# Altium PCB 191015 PCB (REV0-1).PcbDoc (part 2 of 2) (continued)
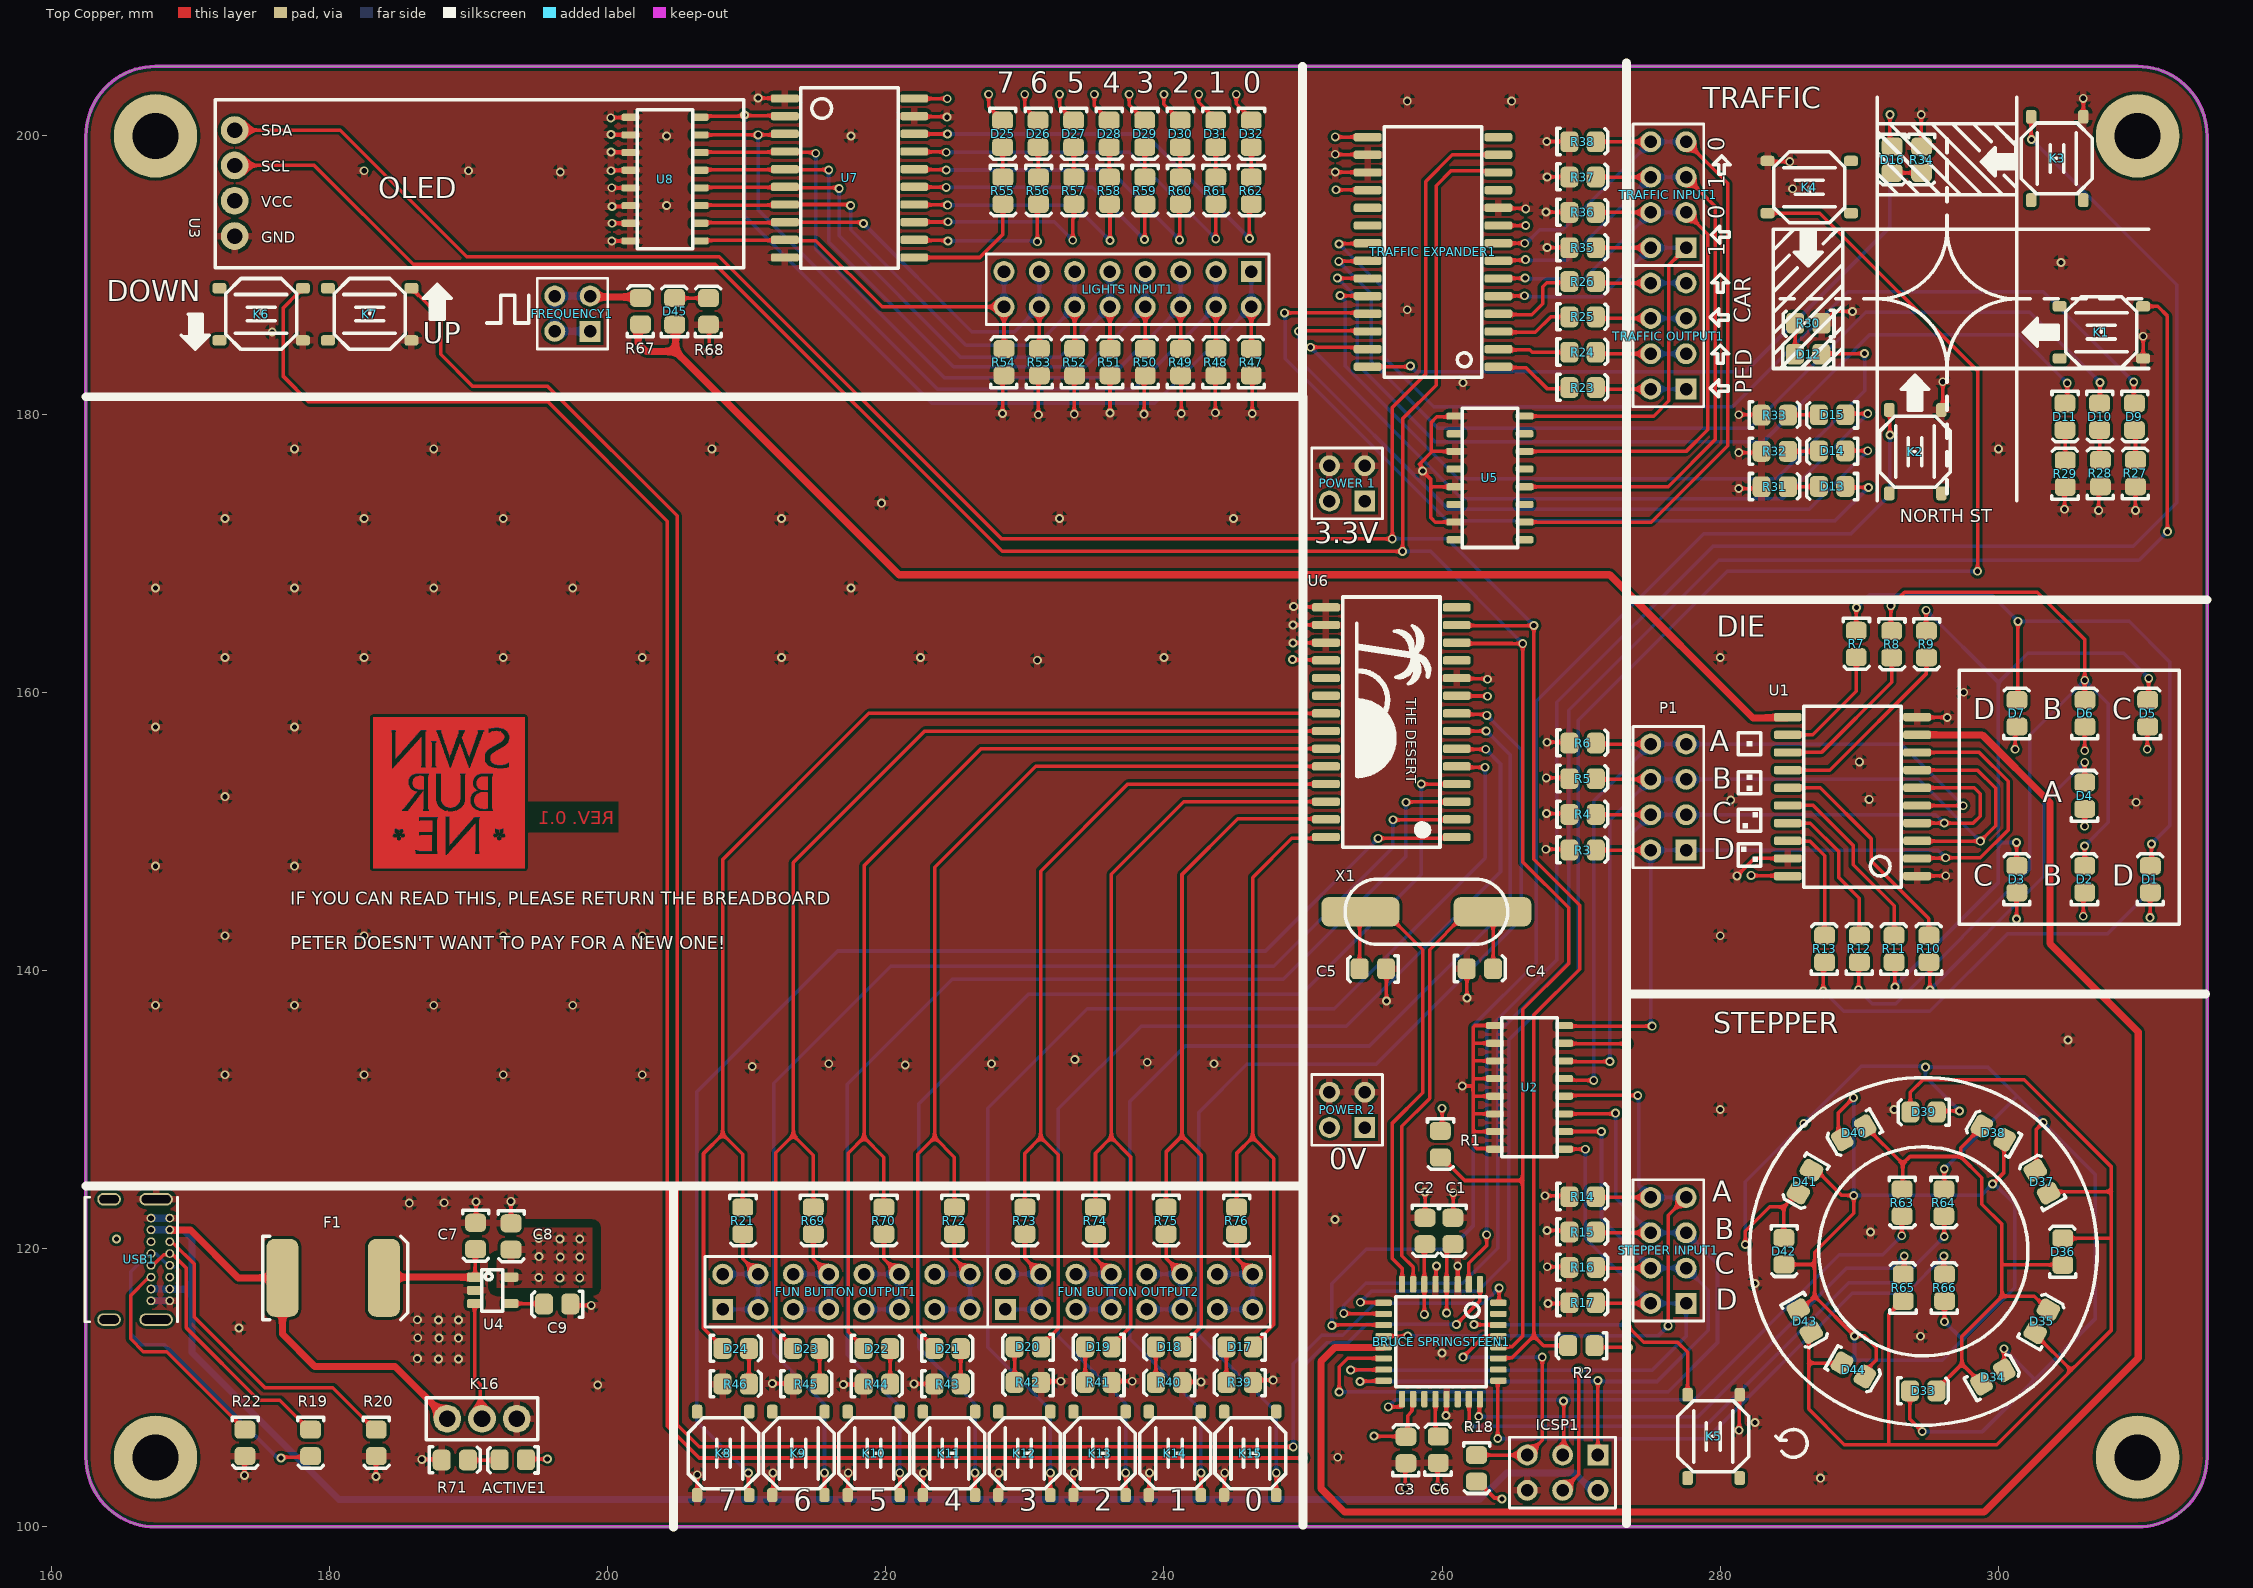
[diagram p0: Top Copper view]
## Nets (pads, with @x,y where several pads share a name; then routed paths per layer and width w, separated by ;. In a path a pad name is that pad's centre, name@x,y a point inside that pad or via, vN(x,y) a via of type N, cw(c..) or ccw(c..) an arc to the next point about the centre after c; other vN are vias at no path point) (continued)
  Bottom Copper w0.254: v1(210.125,103.875) 206.426,107.574 206.426,131.267 216.559,141.4 247.3,141.4 v1(255.4,149.5)
"Switch 2": K9.4 U6.2 | length 89.2
  Top Copper w0.254: K9.4@215.599,102.283 v1(215.599,103.883) ; v1(256.469,150.831) 261.016,150.831 U6.2@261.05,150.865
  Bottom Copper w0.254: v1(215.599,103.883) 215.599,108.826 211.951,112.474 211.951,131.89 220.37,140.31 247.91,140.31 256.469,148.869 v1(256.469,150.831)
"Switch 3": K10.4 U6.3 | length 85.6
  Top Copper w0.254: K10.4@221.012,102.283 v1(221.012,103.883) ; v1(257.4,152.1) 257.418,152.117 261.032,152.117 U6.3@261.05,152.135
  Bottom Copper w0.254: v1(221.012,103.883) 221.012,108.613 217.245,112.38 217.245,131.832 224.783,139.37 248.57,139.37 257.4,148.2 v1(257.4,152.1)
"Switch 4": K11.4 U6.4 | length 81.8
  Top Copper w0.254: K11.4@226.424,102.283 v1(226.424,103.883) ; v1(258.5,153.4) 258.502,153.402 261.047,153.402 U6.4@261.05,153.405
  Bottom Copper w0.254: v1(226.424,103.883) 226.424,108.826 222.389,112.861 222.389,130.416 230.251,138.278 249.878,138.278 258.5,146.9 v1(258.5,153.4)
"Switch 5": K12.4 U6.5 | length 81.5
  Top Copper w0.254: K12.4@231.836,102.283 v1(231.836,103.883) ; U6.5@261.05,154.675 261.118,154.607 v1(263.092,154.607)
  Bottom Copper w0.254: v1(231.836,103.883) 231.836,108.414 227.33,112.92 227.33,130.099 234.481,137.25 252.25,137.25 263.092,148.092 v1(263.092,154.607)
"Switch 6": K13.4 U6.6 | length 80
  Top Copper w0.254: K13.4@237.248,102.283 v1(237.248,103.883) ; U6.6@261.05,155.945 261.092,155.903 v1(263.142,155.903)
  Bottom Copper w0.254: v1(237.248,103.883) 237.248,108.854 232.41,113.693 232.41,130.048 238.362,136 253.1,136 264.2,147.1 264.2,154.845 v1(263.142,155.903)
"Switch 7": K14.4 U6.7 | length 79
  Top Copper w0.254: K14.4@242.661,102.283 v1(242.661,103.883) ; U6.7@261.05,157.215 263.159,157.215 v1(263.168,157.223)
  Bottom Copper w0.254: v1(242.661,103.883) 242.661,108.411 237.541,113.531 237.541,130.581 241.529,134.569 254.769,134.569 264.9,144.7 264.9,155.491 v1(263.168,157.223)
"Switch 8": K15.4 U6.8 | length 76.7
  Top Copper w0.254: K15.4@248.073,102.283 v1(248.073,103.883) ; U6.8@261.05,158.485 261.122,158.413 263.147,158.413 v1(263.219,158.341)
  Bottom Copper w0.254: v1(248.073,103.883) 248.073,108.227 242.519,113.781 242.519,129.819 245.95,133.25 255.25,133.25 265.7,143.7 265.7,155.86 v1(263.219,158.341)
XTAL1: "BRUCE SPRINGSTEEN1.7" C4.2 X1.2 | length 35
  Top Copper w0.254: 257.923,117.434 257.923,118.677 257.1,119.5 257.1,128.8 259.1,130.8 259.1,141.5 261.453,143.853 263.337,143.853 263.668,144.183 C4.2@263.668,140.12
XTAL2: "BRUCE SPRINGSTEEN1.8" C5.2 X1.1 | length 35
  Top Copper w0.254: C5.2@254.067,140.123 254.067,144.167 X1.1@254.125,144.225 255.875,144.225 258.6,141.5 258.6,131.2 256.4,129 256.4,119.3 257.123,118.577 257.123,117.434
pads on no net: "BRUCE SPRINGSTEEN1.19" "BRUCE SPRINGSTEEN1.22" "BRUCE SPRINGSTEEN1.26" "BRUCE SPRINGSTEEN1.31" "TRAFFIC EXPANDER1.11" "TRAFFIC EXPANDER1.14" "TRAFFIC EXPANDER1.19" "TRAFFIC EXPANDER1.20" K1.1 K1.3 K2.1 K2.3 K3.1 K3.3 K4.1 K4.3 K5.1 K5.3 K6.1 K6.3 K7.1 K7.3 K8.1 K8.3 K9.1 K9.3 K10.1 K10.3 K11.1 K11.3 K12.1 K12.3 K13.1 K13.3 K14.1 K14.3 K15.1 K15.3 U5.2 U5.4 U5.6 U5.8 U5.9 U5.11 U5.13 U5.15 U6.11 U6.14 U6.19 U6.20 USB1.A8 USB1.B8 USB1.P2 USB1.P3 USB1.P4
copper on no net:
  other v1: 164.7,120.7

## Polygon pours and split planes (outlines as drawn)
0V on Signal Layer 1 (GND) "Signal Layer 1 (GND)-0V" (solid, remove dead copper, pour order 10): 162.5,205 162.5,124.5 162.5,100 315,100 315,205
0V on Signal Layer 1 (GND) "Signal Layer 1 (GND)-0V 1" (solid, remove dead copper, pour order 8): 162.5,205
0V on Signal Layer 1 (GND) "Signal Layer 1 (GND)-0V 2" (solid, remove dead copper, pour order 6): 162.5,100
0V on Signal Layer 1 (GND) "Signal Layer 1 (GND)-0V 3" (solid, remove dead copper, pour order 4): 159.925,205
no net on Bottom Copper "Bottom Copper-GND" (solid, remove dead copper, pour order 22): 162.5,124.5 183.75,124.5 183.75,100.333 162.583,100.333 162.5,100.25
0V on Bottom Copper "Bottom Copper-0V" (solid, remove dead copper, pour order 14): 162.5,205 162.5,124.5 162.5,100 315,100 315,205.254
0V on Top Copper "Top Copper-0V" (solid, remove dead copper, pour order 24): 162.5,205 162.5,124.5 162.5,100 315,100 315,205.25
3.3V on Top Copper "Top Copper-3.3V" (solid, pour order 16): 192.05,121.5 198.9,121.5 198.9,117.2 192.05,117.2
3.3V on Signal Layer 2 (PWR) "Signal Layer 2 (PWR)-3.3V" (solid, remove dead copper, pour order 12): 162.5,205 162.5,124.5 162.5,100 315,100 315,205

## Keep-outs
Keep-Out Layer:
  the board outline again, w0.254

## Other copper
Top Copper:
  region: 857 vertices and 11 holes, not listed, extent 183.146,147.358 194.043,158.204
  region: 190.892,152.773 190.816,152.773 190.816,152.748 190.765,152.748 190.765,152.723 190.689,152.723 190.689,152.697 190.663,152.697 190.663,152.672 190.638,152.672 190.638,152.646 190.587,152.646 190.587,152.621 190.562,152.621 190.562,152.596 190.562,152.57 190.536,152.57 190.536,152.545 190.511,152.545 190.511,152.519 190.485,152.519 190.485,152.494 190.485,152.469 190.485,152.443 190.46,152.443 190.46,152.418 190.46,152.392 190.46,152.367 190.46,152.342 190.435,152.342 190.435,152.316 190.435,152.291 190.435,152.265 190.435,152.24 190.435,152.215 190.435,152.189 190.435,152.164 190.435,152.138 190.435,152.113 190.435,152.088 190.46,152.088 190.46,152.062 190.46,152.037 190.46,152.011 190.485,152.011 190.485,151.986 190.485,151.961 190.511,151.961 190.511,151.935 190.511,151.91 190.536,151.91 190.536,151.884 190.562,151.884 190.562,151.859 190.587,151.859 190.587,151.834 190.612,151.834 190.612,151.808 190.638,151.808 190.638,151.783 190.663,151.783 190.663,151.757 190.714,151.757 190.714,151.732 190.765,151.732 190.765,151.707 190.841,151.707 190.841,151.681 190.892,151.681 190.892,151.656 191.019,151.656 191.019,151.63 191.273,151.63 191.273,151.656 191.349,151.656 191.349,151.681 191.374,151.681 191.374,151.707 191.374,151.732 191.374,151.757 191.374,151.783 191.374,151.808 191.374,151.834 191.374,151.859 191.374,151.884 191.374,151.91 191.374,151.935 191.374,151.961 191.374,151.986 191.374,152.011 191.374,152.037 191.374,152.062 191.374,152.088 191.374,152.113 191.374,152.138 191.374,152.164 191.374,152.189 191.374,152.215 191.374,152.24 191.374,152.265 191.374,152.291 191.374,152.316 191.374,152.342 191.374,152.367 191.374,152.392 191.374,152.418 191.374,152.443 191.374,152.469 191.374,152.494 191.374,152.519 191.374,152.545 191.374,152.57 191.374,152.596 191.374,152.621 191.374,152.646 191.374,152.672 191.374,152.697 191.374,152.723 191.374,152.748 191.374,152.773 191.349,152.773 191.349,152.799 190.892,152.799
  region: 190.917,153.891 190.841,153.891 190.841,153.866 190.816,153.866 190.816,153.84 190.765,153.84 190.765,153.815 190.739,153.815 190.739,153.789 190.714,153.789 190.714,153.764 190.689,153.764 190.689,153.739 190.663,153.739 190.663,153.713 190.663,153.688 190.638,153.688 190.638,153.662 190.638,153.637 190.638,153.612 190.612,153.612 190.612,153.586 190.612,153.561 190.612,153.535 190.612,153.51 190.587,153.51 190.587,153.485 190.587,153.459 190.587,153.434 190.587,153.408 190.612,153.408 190.612,153.383 190.612,153.358 190.612,153.332 190.612,153.307 190.638,153.307 190.638,153.281 190.638,153.256 190.638,153.231 190.663,153.231 190.663,153.205 190.663,153.18 190.689,153.18 190.689,153.154 190.714,153.154 190.714,153.129 190.739,153.129 190.739,153.104 190.765,153.104 190.765,153.078 190.816,153.078 190.816,153.053 190.866,153.053 190.866,153.027 190.917,153.027 190.917,153.002 191.146,153.002 191.146,152.977 191.349,152.977 191.349,153.002 191.374,153.002 191.374,153.027 191.374,153.053 191.374,153.078 191.374,153.104 191.374,153.129 191.374,153.154 191.374,153.18 191.374,153.205 191.374,153.231 191.374,153.256 191.374,153.281 191.374,153.307 191.374,153.332 191.374,153.358 191.374,153.383 191.374,153.408 191.374,153.434 191.374,153.459 191.374,153.485 191.374,153.51 191.374,153.535 191.374,153.561 191.374,153.586 191.374,153.612 191.374,153.637 191.374,153.662 191.374,153.688 191.374,153.713 191.374,153.739 191.374,153.764 191.374,153.789 191.374,153.815 191.374,153.84 191.374,153.866 191.374,153.891 191.374,153.916 190.917,153.916
  region: 186.474,153.962 186.347,153.962 186.347,153.937 186.245,153.937 186.245,153.912 186.194,153.912 186.194,153.886 186.169,153.886 186.169,153.861 186.144,153.861 186.144,153.835 186.118,153.835 186.118,153.81 186.093,153.81 186.093,153.785 186.067,153.785 186.067,153.759 186.067,153.734 186.042,153.734 186.042,153.708 186.042,153.683 186.017,153.683 186.017,153.658 186.017,153.632 186.017,153.607 186.017,153.581 185.991,153.581 185.991,153.556 185.991,153.531 185.991,153.505 185.991,153.48 185.991,153.454 185.991,153.429 185.991,153.404 186.017,153.404 186.017,153.378 186.017,153.353 186.017,153.327 186.042,153.327 186.042,153.302 186.042,153.277 186.067,153.277 186.067,153.251 186.067,153.226 186.093,153.226 186.093,153.2 186.118,153.2 186.118,153.175 186.144,153.175 186.144,153.15 186.169,153.15 186.169,153.124 186.22,153.124 186.22,153.099 186.271,153.099 186.271,153.073 186.321,153.073 186.321,153.048 186.398,153.048 186.398,153.023 186.779,153.023 186.779,153.048 186.779,153.073 186.779,153.099 186.779,153.124 186.779,153.15 186.779,153.175 186.779,153.2 186.779,153.226 186.779,153.251 186.779,153.277 186.779,153.302 186.779,153.327 186.779,153.353 186.779,153.378 186.779,153.404 186.779,153.429 186.779,153.454 186.779,153.48 186.779,153.505 186.779,153.531 186.779,153.556 186.779,153.581 186.779,153.607 186.779,153.632 186.779,153.658 186.779,153.683 186.779,153.708 186.779,153.734 186.779,153.759 186.779,153.785 186.779,153.81 186.779,153.835 186.779,153.861 186.779,153.886 186.779,153.912 186.779,153.937 186.702,153.937 186.702,153.962 186.601,153.962 186.601,153.988 186.474,153.988
  region net "NetBRUCE SPRINGSTEEN1_10": 310.758,184.021
  region: 263.85,177.215
  region: 263.8,177.425
  region net NetR26_1: 269.114,189.49
  text "REV. 0.1" at 200.5,150.2 h1.6
Signal Layer 1 (GND):
  region: 857 vertices and 11 holes, not listed, extent 183.146,147.333 194.043,158.179
  region: 190.892,152.748 190.816,152.748 190.816,152.723 190.765,152.723 190.765,152.697 190.689,152.697 190.689,152.672 190.663,152.672 190.663,152.646 190.638,152.646 190.638,152.621 190.587,152.621 190.587,152.596 190.562,152.596 190.562,152.57 190.562,152.545 190.536,152.545 190.536,152.519 190.511,152.519 190.511,152.494 190.485,152.494 190.485,152.469 190.485,152.443 190.485,152.418 190.46,152.418 190.46,152.392 190.46,152.367 190.46,152.342 190.46,152.316 190.435,152.316 190.435,152.291 190.435,152.265 190.435,152.24 190.435,152.215 190.435,152.189 190.435,152.164 190.435,152.138 190.435,152.113 190.435,152.088 190.435,152.062 190.46,152.062 190.46,152.037 190.46,152.011 190.46,151.986 190.485,151.986 190.485,151.961 190.485,151.935 190.511,151.935 190.511,151.91 190.511,151.884 190.536,151.884 190.536,151.859 190.562,151.859 190.562,151.834 190.587,151.834 190.587,151.808 190.612,151.808 190.612,151.783 190.638,151.783 190.638,151.757 190.663,151.757 190.663,151.732 190.714,151.732 190.714,151.707 190.765,151.707 190.765,151.681 190.841,151.681 190.841,151.656 190.892,151.656 190.892,151.63 191.019,151.63 191.019,151.605 191.273,151.605 191.273,151.63 191.349,151.63 191.349,151.656 191.374,151.656 191.374,151.681 191.374,151.707 191.374,151.732 191.374,151.757 191.374,151.783 191.374,151.808 191.374,151.834 191.374,151.859 191.374,151.884 191.374,151.91 191.374,151.935 191.374,151.961 191.374,151.986 191.374,152.011 191.374,152.037 191.374,152.062 191.374,152.088 191.374,152.113 191.374,152.138 191.374,152.164 191.374,152.189 191.374,152.215 191.374,152.24 191.374,152.265 191.374,152.291 191.374,152.316 191.374,152.342 191.374,152.367 191.374,152.392 191.374,152.418 191.374,152.443 191.374,152.469 191.374,152.494 191.374,152.519 191.374,152.545 191.374,152.57 191.374,152.596 191.374,152.621 191.374,152.646 191.374,152.672 191.374,152.697 191.374,152.723 191.374,152.748 191.349,152.748 191.349,152.773 190.892,152.773
  region: 190.917,153.866 190.841,153.866 190.841,153.84 190.816,153.84 190.816,153.815 190.765,153.815 190.765,153.789 190.739,153.789 190.739,153.764 190.714,153.764 190.714,153.739 190.689,153.739 190.689,153.713 190.663,153.713 190.663,153.688 190.663,153.662 190.638,153.662 190.638,153.637 190.638,153.612 190.638,153.586 190.612,153.586 190.612,153.561 190.612,153.535 190.612,153.51 190.612,153.485 190.587,153.485 190.587,153.459 190.587,153.434 190.587,153.408 190.587,153.383 190.612,153.383 190.612,153.358 190.612,153.332 190.612,153.307 190.612,153.281 190.638,153.281 190.638,153.256 190.638,153.231 190.638,153.205 190.663,153.205 190.663,153.18 190.663,153.154 190.689,153.154 190.689,153.129 190.714,153.129 190.714,153.104 190.739,153.104 190.739,153.078 190.765,153.078 190.765,153.053 190.816,153.053 190.816,153.027 190.866,153.027 190.866,153.002 190.917,153.002 190.917,152.977 191.146,152.977 191.146,152.951 191.349,152.951 191.349,152.977 191.374,152.977 191.374,153.002 191.374,153.027 191.374,153.053 191.374,153.078 191.374,153.104 191.374,153.129 191.374,153.154 191.374,153.18 191.374,153.205 191.374,153.231 191.374,153.256 191.374,153.281 191.374,153.307 191.374,153.332 191.374,153.358 191.374,153.383 191.374,153.408 191.374,153.434 191.374,153.459 191.374,153.485 191.374,153.51 191.374,153.535 191.374,153.561 191.374,153.586 191.374,153.612 191.374,153.637 191.374,153.662 191.374,153.688 191.374,153.713 191.374,153.739 191.374,153.764 191.374,153.789 191.374,153.815 191.374,153.84 191.374,153.866 191.374,153.891 190.917,153.891
  region: 186.474,153.937 186.347,153.937 186.347,153.912 186.245,153.912 186.245,153.886 186.194,153.886 186.194,153.861 186.169,153.861 186.169,153.835 186.144,153.835 186.144,153.81 186.118,153.81 186.118,153.785 186.093,153.785 186.093,153.759 186.067,153.759 186.067,153.734 186.067,153.708 186.042,153.708 186.042,153.683 186.042,153.658 186.017,153.658 186.017,153.632 186.017,153.607 186.017,153.581 186.017,153.556 185.991,153.556 185.991,153.531 185.991,153.505 185.991,153.48 185.991,153.454 185.991,153.429 185.991,153.404 185.991,153.378 186.017,153.378 186.017,153.353 186.017,153.327 186.017,153.302 186.042,153.302 186.042,153.277 186.042,153.251 186.067,153.251 186.067,153.226 186.067,153.2 186.093,153.2 186.093,153.175 186.118,153.175 186.118,153.15 186.144,153.15 186.144,153.124 186.169,153.124 186.169,153.099 186.22,153.099 186.22,153.073 186.271,153.073 186.271,153.048 186.321,153.048 186.321,153.023 186.398,153.023 186.398,152.997 186.779,152.997 186.779,153.023 186.779,153.048 186.779,153.073 186.779,153.099 186.779,153.124 186.779,153.15 186.779,153.175 186.779,153.2 186.779,153.226 186.779,153.251 186.779,153.277 186.779,153.302 186.779,153.327 186.779,153.353 186.779,153.378 186.779,153.404 186.779,153.429 186.779,153.454 186.779,153.48 186.779,153.505 186.779,153.531 186.779,153.556 186.779,153.581 186.779,153.607 186.779,153.632 186.779,153.658 186.779,153.683 186.779,153.708 186.779,153.734 186.779,153.759 186.779,153.785 186.779,153.81 186.779,153.835 186.779,153.861 186.779,153.886 186.779,153.912 186.702,153.912 186.702,153.937 186.601,153.937 186.601,153.962 186.474,153.962
  text "REV. 0.1" at 200.5,150.2 h1.6
Signal Layer 2 (PWR):
  region: 186.474,153.937 186.347,153.937 186.347,153.912 186.245,153.912 186.245,153.886 186.194,153.886 186.194,153.861 186.169,153.861 186.169,153.835 186.144,153.835 186.144,153.81 186.118,153.81 186.118,153.785 186.093,153.785 186.093,153.759 186.067,153.759 186.067,153.734 186.067,153.708 186.042,153.708 186.042,153.683 186.042,153.658 186.017,153.658 186.017,153.632 186.017,153.607 186.017,153.581 186.017,153.556 185.991,153.556 185.991,153.531 185.991,153.505 185.991,153.48 185.991,153.454 185.991,153.429 185.991,153.404 185.991,153.378 186.017,153.378 186.017,153.353 186.017,153.327 186.017,153.302 186.042,153.302 186.042,153.277 186.042,153.251 186.067,153.251 186.067,153.226 186.067,153.2 186.093,153.2 186.093,153.175 186.118,153.175 186.118,153.15 186.144,153.15 186.144,153.124 186.169,153.124 186.169,153.099 186.22,153.099 186.22,153.073 186.271,153.073 186.271,153.048 186.321,153.048 186.321,153.023 186.398,153.023 186.398,152.997 186.779,152.997 186.779,153.023 186.779,153.048 186.779,153.073 186.779,153.099 186.779,153.124 186.779,153.15 186.779,153.175 186.779,153.2 186.779,153.226 186.779,153.251 186.779,153.277 186.779,153.302 186.779,153.327 186.779,153.353 186.779,153.378 186.779,153.404 186.779,153.429 186.779,153.454 186.779,153.48 186.779,153.505 186.779,153.531 186.779,153.556 186.779,153.581 186.779,153.607 186.779,153.632 186.779,153.658 186.779,153.683 186.779,153.708 186.779,153.734 186.779,153.759 186.779,153.785 186.779,153.81 186.779,153.835 186.779,153.861 186.779,153.886 186.779,153.912 186.702,153.912 186.702,153.937 186.601,153.937 186.601,153.962 186.474,153.962
  region: 190.917,153.866 190.841,153.866 190.841,153.84 190.816,153.84 190.816,153.815 190.765,153.815 190.765,153.789 190.739,153.789 190.739,153.764 190.714,153.764 190.714,153.739 190.689,153.739 190.689,153.713 190.663,153.713 190.663,153.688 190.663,153.662 190.638,153.662 190.638,153.637 190.638,153.612 190.638,153.586 190.612,153.586 190.612,153.561 190.612,153.535 190.612,153.51 190.612,153.485 190.587,153.485 190.587,153.459 190.587,153.434 190.587,153.408 190.587,153.383 190.612,153.383 190.612,153.358 190.612,153.332 190.612,153.307 190.612,153.281 190.638,153.281 190.638,153.256 190.638,153.231 190.638,153.205 190.663,153.205 190.663,153.18 190.663,153.154 190.689,153.154 190.689,153.129 190.714,153.129 190.714,153.104 190.739,153.104 190.739,153.078 190.765,153.078 190.765,153.053 190.816,153.053 190.816,153.027 190.866,153.027 190.866,153.002 190.917,153.002 190.917,152.977 191.146,152.977 191.146,152.951 191.349,152.951 191.349,152.977 191.374,152.977 191.374,153.002 191.374,153.027 191.374,153.053 191.374,153.078 191.374,153.104 191.374,153.129 191.374,153.154 191.374,153.18 191.374,153.205 191.374,153.231 191.374,153.256 191.374,153.281 191.374,153.307 191.374,153.332 191.374,153.358 191.374,153.383 191.374,153.408 191.374,153.434 191.374,153.459 191.374,153.485 191.374,153.51 191.374,153.535 191.374,153.561 191.374,153.586 191.374,153.612 191.374,153.637 191.374,153.662 191.374,153.688 191.374,153.713 191.374,153.739 191.374,153.764 191.374,153.789 191.374,153.815 191.374,153.84 191.374,153.866 191.374,153.891 190.917,153.891
  region: 190.892,152.748 190.816,152.748 190.816,152.723 190.765,152.723 190.765,152.697 190.689,152.697 190.689,152.672 190.663,152.672 190.663,152.646 190.638,152.646 190.638,152.621 190.587,152.621 190.587,152.596 190.562,152.596 190.562,152.57 190.562,152.545 190.536,152.545 190.536,152.519 190.511,152.519 190.511,152.494 190.485,152.494 190.485,152.469 190.485,152.443 190.485,152.418 190.46,152.418 190.46,152.392 190.46,152.367 190.46,152.342 190.46,152.316 190.435,152.316 190.435,152.291 190.435,152.265 190.435,152.24 190.435,152.215 190.435,152.189 190.435,152.164 190.435,152.138 190.435,152.113 190.435,152.088 190.435,152.062 190.46,152.062 190.46,152.037 190.46,152.011 190.46,151.986 190.485,151.986 190.485,151.961 190.485,151.935 190.511,151.935 190.511,151.91 190.511,151.884 190.536,151.884 190.536,151.859 190.562,151.859 190.562,151.834 190.587,151.834 190.587,151.808 190.612,151.808 190.612,151.783 190.638,151.783 190.638,151.757 190.663,151.757 190.663,151.732 190.714,151.732 190.714,151.707 190.765,151.707 190.765,151.681 190.841,151.681 190.841,151.656 190.892,151.656 190.892,151.63 191.019,151.63 191.019,151.605 191.273,151.605 191.273,151.63 191.349,151.63 191.349,151.656 191.374,151.656 191.374,151.681 191.374,151.707 191.374,151.732 191.374,151.757 191.374,151.783 191.374,151.808 191.374,151.834 191.374,151.859 191.374,151.884 191.374,151.91 191.374,151.935 191.374,151.961 191.374,151.986 191.374,152.011 191.374,152.037 191.374,152.062 191.374,152.088 191.374,152.113 191.374,152.138 191.374,152.164 191.374,152.189 191.374,152.215 191.374,152.24 191.374,152.265 191.374,152.291 191.374,152.316 191.374,152.342 191.374,152.367 191.374,152.392 191.374,152.418 191.374,152.443 191.374,152.469 191.374,152.494 191.374,152.519 191.374,152.545 191.374,152.57 191.374,152.596 191.374,152.621 191.374,152.646 191.374,152.672 191.374,152.697 191.374,152.723 191.374,152.748 191.349,152.748 191.349,152.773 190.892,152.773
  region: 857 vertices and 11 holes, not listed, extent 183.146,147.333 194.043,158.179
  text "REV. 0.1" at 200.5,150.2 h1.6
Bottom Copper:
  region: 857 vertices and 11 holes, not listed, extent 183.146,147.333 194.043,158.179
  region: 190.917,153.866 190.841,153.866 190.841,153.84 190.816,153.84 190.816,153.815 190.765,153.815 190.765,153.789 190.739,153.789 190.739,153.764 190.714,153.764 190.714,153.739 190.689,153.739 190.689,153.713 190.663,153.713 190.663,153.688 190.663,153.662 190.638,153.662 190.638,153.637 190.638,153.612 190.638,153.586 190.612,153.586 190.612,153.561 190.612,153.535 190.612,153.51 190.612,153.485 190.587,153.485 190.587,153.459 190.587,153.434 190.587,153.408 190.587,153.383 190.612,153.383 190.612,153.358 190.612,153.332 190.612,153.307 190.612,153.281 190.638,153.281 190.638,153.256 190.638,153.231 190.638,153.205 190.663,153.205 190.663,153.18 190.663,153.154 190.689,153.154 190.689,153.129 190.714,153.129 190.714,153.104 190.739,153.104 190.739,153.078 190.765,153.078 190.765,153.053 190.816,153.053 190.816,153.027 190.866,153.027 190.866,153.002 190.917,153.002 190.917,152.977 191.146,152.977 191.146,152.951 191.349,152.951 191.349,152.977 191.374,152.977 191.374,153.002 191.374,153.027 191.374,153.053 191.374,153.078 191.374,153.104 191.374,153.129 191.374,153.154 191.374,153.18 191.374,153.205 191.374,153.231 191.374,153.256 191.374,153.281 191.374,153.307 191.374,153.332 191.374,153.358 191.374,153.383 191.374,153.408 191.374,153.434 191.374,153.459 191.374,153.485 191.374,153.51 191.374,153.535 191.374,153.561 191.374,153.586 191.374,153.612 191.374,153.637 191.374,153.662 191.374,153.688 191.374,153.713 191.374,153.739 191.374,153.764 191.374,153.789 191.374,153.815 191.374,153.84 191.374,153.866 191.374,153.891 190.917,153.891
  region: 186.474,153.937 186.347,153.937 186.347,153.912 186.245,153.912 186.245,153.886 186.194,153.886 186.194,153.861 186.169,153.861 186.169,153.835 186.144,153.835 186.144,153.81 186.118,153.81 186.118,153.785 186.093,153.785 186.093,153.759 186.067,153.759 186.067,153.734 186.067,153.708 186.042,153.708 186.042,153.683 186.042,153.658 186.017,153.658 186.017,153.632 186.017,153.607 186.017,153.581 186.017,153.556 185.991,153.556 185.991,153.531 185.991,153.505 185.991,153.48 185.991,153.454 185.991,153.429 185.991,153.404 185.991,153.378 186.017,153.378 186.017,153.353 186.017,153.327 186.017,153.302 186.042,153.302 186.042,153.277 186.042,153.251 186.067,153.251 186.067,153.226 186.067,153.2 186.093,153.2 186.093,153.175 186.118,153.175 186.118,153.15 186.144,153.15 186.144,153.124 186.169,153.124 186.169,153.099 186.22,153.099 186.22,153.073 186.271,153.073 186.271,153.048 186.321,153.048 186.321,153.023 186.398,153.023 186.398,152.997 186.779,152.997 186.779,153.023 186.779,153.048 186.779,153.073 186.779,153.099 186.779,153.124 186.779,153.15 186.779,153.175 186.779,153.2 186.779,153.226 186.779,153.251 186.779,153.277 186.779,153.302 186.779,153.327 186.779,153.353 186.779,153.378 186.779,153.404 186.779,153.429 186.779,153.454 186.779,153.48 186.779,153.505 186.779,153.531 186.779,153.556 186.779,153.581 186.779,153.607 186.779,153.632 186.779,153.658 186.779,153.683 186.779,153.708 186.779,153.734 186.779,153.759 186.779,153.785 186.779,153.81 186.779,153.835 186.779,153.861 186.779,153.886 186.779,153.912 186.702,153.912 186.702,153.937 186.601,153.937 186.601,153.962 186.474,153.962
  region: 190.892,152.748 190.816,152.748 190.816,152.723 190.765,152.723 190.765,152.697 190.689,152.697 190.689,152.672 190.663,152.672 190.663,152.646 190.638,152.646 190.638,152.621 190.587,152.621 190.587,152.596 190.562,152.596 190.562,152.57 190.562,152.545 190.536,152.545 190.536,152.519 190.511,152.519 190.511,152.494 190.485,152.494 190.485,152.469 190.485,152.443 190.485,152.418 190.46,152.418 190.46,152.392 190.46,152.367 190.46,152.342 190.46,152.316 190.435,152.316 190.435,152.291 190.435,152.265 190.435,152.24 190.435,152.215 190.435,152.189 190.435,152.164 190.435,152.138 190.435,152.113 190.435,152.088 190.435,152.062 190.46,152.062 190.46,152.037 190.46,152.011 190.46,151.986 190.485,151.986 190.485,151.961 190.485,151.935 190.511,151.935 190.511,151.91 190.511,151.884 190.536,151.884 190.536,151.859 190.562,151.859 190.562,151.834 190.587,151.834 190.587,151.808 190.612,151.808 190.612,151.783 190.638,151.783 190.638,151.757 190.663,151.757 190.663,151.732 190.714,151.732 190.714,151.707 190.765,151.707 190.765,151.681 190.841,151.681 190.841,151.656 190.892,151.656 190.892,151.63 191.019,151.63 191.019,151.605 191.273,151.605 191.273,151.63 191.349,151.63 191.349,151.656 191.374,151.656 191.374,151.681 191.374,151.707 191.374,151.732 191.374,151.757 191.374,151.783 191.374,151.808 191.374,151.834 191.374,151.859 191.374,151.884 191.374,151.91 191.374,151.935 191.374,151.961 191.374,151.986 191.374,152.011 191.374,152.037 191.374,152.062 191.374,152.088 191.374,152.113 191.374,152.138 191.374,152.164 191.374,152.189 191.374,152.215 191.374,152.24 191.374,152.265 191.374,152.291 191.374,152.316 191.374,152.342 191.374,152.367 191.374,152.392 191.374,152.418 191.374,152.443 191.374,152.469 191.374,152.494 191.374,152.519 191.374,152.545 191.374,152.57 191.374,152.596 191.374,152.621 191.374,152.646 191.374,152.672 191.374,152.697 191.374,152.723 191.374,152.748 191.349,152.748 191.349,152.773 190.892,152.773
  region: 238.911,102.283
  region: 293.2,118.2
  text "REV. 0.1" at 200.5,150.2 h1.6

## Silkscreen, mask and mechanical layers (free items; w line width, h text height)
Top Overlay:
  drawing of 218 lines, arcs and shapes, not listed
  text "7" at 228,202.6 h2.54
  text "6" at 230.4,202.6 h2.54
  text "5" at 233,202.6 h2.54
  text "4" at 235.6,202.6 h2.54
  text "3" at 238,202.6 h2.54
  text "2" at 240.6,202.6 h2.54
  text "1" at 243.2,202.6 h2.54
  text "0" at 245.7,202.6 h2.54
  text "TRAFFIC" at 278.75,201.5 h2.54
  text "0" at 280.7,198.9 h2 r90
  text "1" at 280.7,196.2 h2 r90
  text "OLED" at 183.5,195 h2.54
  text "0" at 280.7,194 h2 r90
  text "1" at 280.7,191.3 h2 r90
  text "DOWN" at 164,187.6 h2.54
  text "CAR" at 282.6,186.525 h2 r90
  text "UP" at 186.7,184.6 h2.54
  text "PED" at 282.675,181.45 h2 r90
  text "NORTH ST" at 292.9,171.9 h1.6
  text "3.3V" at 250.8,170.2 h2.54
  text "DIE" at 279.75,163.5 h2.54
  text "THE DESERT" at 257.175,159.575 h1.2 r270
  text "D" at 298.175,157.575 h2.54
  text "B" at 303.175,157.575 h2.54
  text "C" at 308.175,157.575 h2.54
  text "A" at 279.25,155.25 h2.54
  text "B" at 279.425,152.575 h2.54
  text "A" at 303.175,151.575 h2.54
  text "C" at 279.425,150.075 h2.54
  text "D" at 279.5,147.5 h2.54
  text "C" at 298.175,145.575 h2.54
  text "B" at 303.175,145.575 h2.54
  text "D" at 308.175,145.575 h2.54
  text "IF YOU CAN READ THIS, PLEASE RETURN THE BREADBOARD /  / PETER DOESN'T WANT TO PAY FOR A NEW ONE!" at 177.2,141.2 h1.6
  text "STEPPER" at 279.5,135 h2.54
  text "0V" at 251.9,125.2 h2.54
  text "A" at 279.425,122.857 h2.54
  text "B" at 279.6,120.182 h2.54
  text "C" at 279.6,117.682 h2.54
  text "D" at 279.675,115.107 h2.54
  text "7" at 208,100.65 h2.54
  text "6" at 213.4,100.65 h2.54
  text "5" at 218.8,100.65 h2.54
  text "4" at 224.2,100.65 h2.54
  text "3" at 229.6,100.65 h2.54
  text "2" at 235,100.65 h2.54
  text "1" at 240.4,100.65 h2.54
  text "0" at 245.8,100.65 h2.54
Bottom Overlay:
  drawing of 4 lines, arcs and shapes, not listed
  text "DIGITAL ELECTRONICS DESIGN" at 229.375,155.925 h2.54
  text "EEE20001" at 205.1,153.8 h2.54
  text "Jordan Boekel, Ben Gregg, Patrick Curtain" at 221.55,151.85 h1.6
  text "REV. 0.1" at 200.5,150.2 h1.6
  text "If found please call (+613) 9214 8319" at 224.625,147.65 h2
Drill Drawing:
  region: 286.651,118.8

## Dimensions
315,205 to 162.5,205 on Drill Drawing
162.5,100 to 162.5,205 on Drill Drawing
167.5,200 to 163.989,203.511 on Drill Drawing

## Text inside footprints (layer, text, board x,y; h text height)
U3: Top Overlay "GND" at 175.092,192.308 h0.8; Top Overlay "VCC" at 175.092,194.874 h0.8; Top Overlay "SCL" at 175.092,197.441 h0.8; Top Overlay "SDA" at 175.092,200.008 h0.8